# Allegro board 1156197-TDI_VU3P_QSFP28_CXP_V001_1023A-166-20241121_1644_PCB.brd (continued)
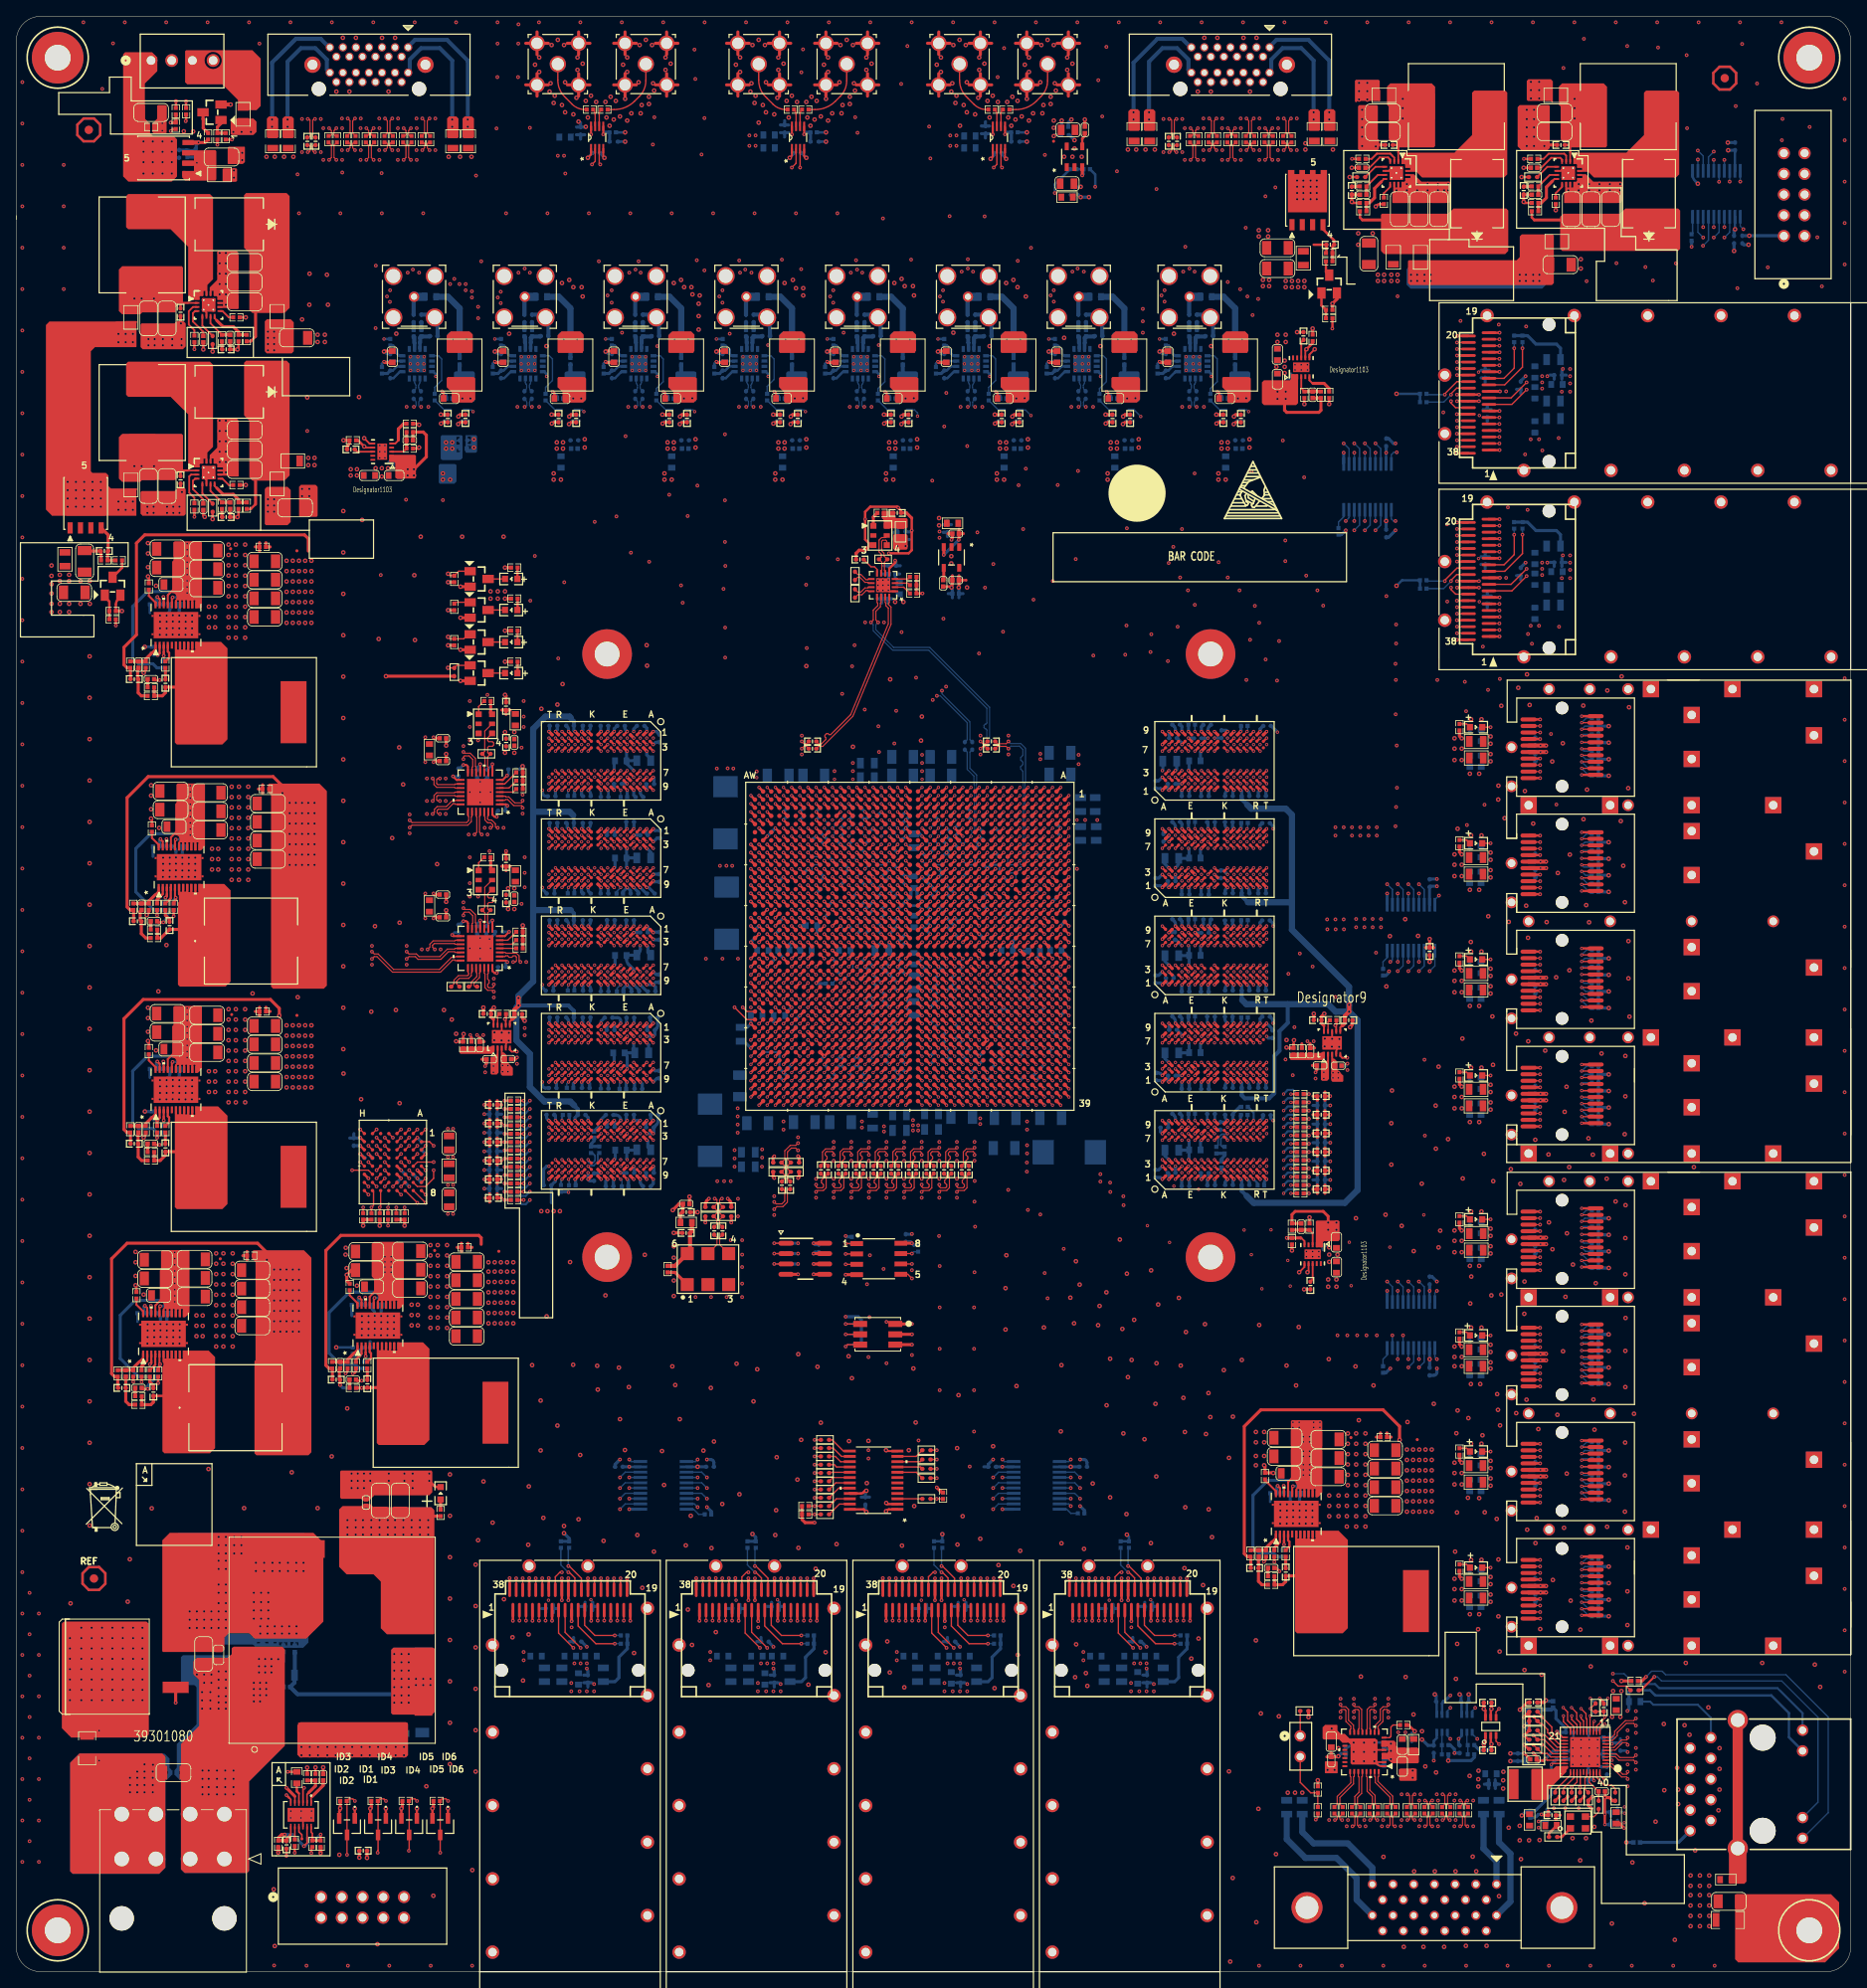
[diagram p0: board, top side]
## Routing (per net, layer and track width the routed paths; a pad name or vN(x,y) marks a point on that pad's centre or on a via; arc(x,y) is an arc through that point) (continued)
N29553526: length 17.7
  TOP w0.14: C79.1 107.52,99.1 107.52,100.62 107.89,100.99 108.75,100.99 v1(108.89,101.14) ; U1.AA33 v3(108.1,112.36)
  ART07 w0.102: v3(108.1,112.36) 108.1,112.22 107.95,112.06 107.72,112.06 107.5,111.84 107.5,105.96 107.45,105.92
  ART07 w0.114: v1(108.89,101.14) 109.11,100.92 109.56,100.92 109.67,101.03 109.67,101.91 108.44,103.14 108.44,104.34 107.45,105.33 107.45,105.92
N29553547: length 18.2
  TOP w0.14: C82.1 107.85,99.25 107.85,99.54 108.08,99.77 108.08,100.03 107.85,100.26 107.85,100.48 108.03,100.66 108.73,100.66 108.89,100.5 v1(108.89,100.25) ; U1.AA34 v3(108.1,111.36)
  ART07 w0.102: 107.76,105.92 107.7,105.98 107.7,111.76 107.8,111.86 107.94,111.86 108.1,111.71 v3(108.1,111.36)
  ART07 w0.114: v1(108.89,100.25) 108.89,100.5 109.01,100.61 109.69,100.61 109.98,100.9 109.98,102.03 108.75,103.27 108.75,104.47 107.76,105.46 107.76,105.92
N29556387: length 1.4
  TOP w0.14: U1.AJ7 v3(100.1,139.36)
  BOTTOM w0.14: v3(100.1,139.36) 100.57,139.82 C98.1
N29556408: length 1.4
  TOP w0.14: U1.AJ6 v3(100.1,140.36)
  BOTTOM w0.14: v3(100.1,140.36) 100.57,140.82 C99.1
N29557449: length 1.4
  TOP w0.14: U1.AE7 v3(104.1,139.36)
  BOTTOM w0.14: C96.1 103.6,139.86 v3(104.1,139.36)
N29557470: length 1.4
  TOP w0.14: U1.AE6 v3(104.1,140.36)
  BOTTOM w0.14: C97.1 104.08,140.36 v3(104.1,140.36)
N29557994: length 1.4
  TOP w0.14: U1.AA7 v3(108.1,139.36)
  BOTTOM w0.14: v3(108.1,139.36) 108.08,139.36 C100.1
N29558010: length 1.4
  TOP w0.14: U1.AA6 v3(108.1,140.36)
  BOTTOM w0.14: C101.1 108.08,140.36 v3(108.1,140.36)
N29558479: length 1.4
  TOP w0.14: U1.U7 v3(113.1,139.36)
  BOTTOM w0.14: v3(113.1,139.36) 113.57,139.82 C102.1
N29558500: length 1.4
  TOP w0.14: U1.U6 v3(113.1,140.36)
  BOTTOM w0.14: C104.1 113.57,140.82 v3(113.1,140.36)
N29559124: length 12.2
  TOP w0.14: U1.N7 v3(117.1,139.36)
  BOTTOM w0.102: v3(117.1,139.36) 117.1,139.65 117.2,139.76 117.46,139.76 117.68,139.98 117.68,142.77 117.72,143.3 117.72,145.68 117.79,145.75 117.79,145.77
  BOTTOM w0.14: 117.79,145.77 117.79,146.88 116.96,147.71 116.96,149.7 C103.1
N29559145: length 11.9
  TOP w0.14: U1.N6 v3(117.1,140.36)
  BOTTOM w0.102: v3(117.1,140.36) 117.1,140.06 117.2,139.96 117.37,139.96 117.48,140.06 117.48,142.78 117.52,143.3 117.52,145.68 117.46,145.75 117.46,145.77
  BOTTOM w0.14: 117.46,145.77 117.46,146.74 116.63,147.57 116.63,149.7 C105.1
N29560689: length 2.5
  BOTTOM w0.17: U21.10 162.81,178.56 162.18,177.93 R244.2
N29563240: length 2.5
  BOTTOM w0.17: R253.2 83.69,56.13 83.06,56.76 U22.10
N29565206: length 2.4
  BOTTOM w0.17: R262.2 129.34,56.26 128.83,56.76 U23.10
N29589979: length 2.2
  TOP w0.17: U2.7 v1(109.86,88.14)
  BOTTOM w0.17: v1(109.86,88.14) 110.09,88.37 R23.2
N29592808: length 3.1
  TOP w0.17: J3.1 R34.2
N29620196: length 3.2
  TOP w0.381: 60.07,154.32 C868.1 ; C868.1 60.58,154.85 ; C868.1 59.56,154.85 ; R481.1 58.19,154.51 X3.6
N29620326: length 1.9
  TOP w0.17: X3.1 56.71,155.28 R481.2
N29629196: length 1.4
  TOP w0.305: R51.2 61.47,172.32 DS3.1
N29629198: length 1.4
  TOP w0.254: R50.2 61.49,163.22 DS2.1
N29629216: length 2.1
  TOP w0.17: Q3.3 DS3.2
N29629218: length 2.1
  TOP w0.17: Q2.3 DS2.2
N29650801: length 7.1
  TOP w0.508: R49.1 80.8,86.63 U5.6 82.64,88.48 C40.1 82.87,90.91 L4.1
N29650891: length 3
  TOP w0.381: U5.1 80.8,85.83 R49.2
N29656991: length 17.7
  TOP w0.14: U1.AG33 v3(102.1,112.36) ; C86.1 101.37,99.25 101.37,99.54 101.6,99.77 101.6,100.03 101.37,100.26 101.37,100.48 101.55,100.66 102.25,100.66 102.42,100.5 v1(102.42,100.25)
  ART07 w0.102: v3(102.1,112.36) 102.1,112.22 102.25,112.06 102.49,112.06 102.71,111.84 102.71,105.96 102.75,105.92
  ART07 w0.114: v1(102.42,100.25) 102.62,100.46 103.15,100.46 103.5,100.81 103.5,102.26 102.75,103.02 102.75,105.92
N29657007: length 17.6
  TOP w0.14: U1.AG34 v3(102.1,111.36) ; v1(102.42,101.14) 102.27,100.99 101.42,100.99 101.04,100.62 101.04,99.1 C89.1
  ART07 w0.102: 102.44,105.92 102.5,105.98 102.5,111.76 102.4,111.86 102.2,111.86 102.1,111.76 v3(102.1,111.36)
  ART07 w0.114: v1(102.42,101.14) 102.42,100.9 102.56,100.76 103.02,100.76 103.2,100.94 103.2,101.26 103.08,101.38 103.01,101.38 102.9,101.49 102.9,101.72 103.01,101.84 103.08,101.84 103.2,101.95 103.2,102.13 102.44,102.89 102.44,105.92
N29657061: length 17.8
  TOP w0.14: v1(106.73,100.25) 106.73,100.5 106.57,100.66 105.87,100.66 105.69,100.48 105.69,100.26 105.92,100.03 105.92,99.77 105.69,99.54 105.69,99.25 C84.1 ; U1.AC33 v3(106.1,112.36)
  ART07 w0.102: 106.75,105.92 106.71,105.96 106.71,111.84 106.49,112.06 106.25,112.06 106.1,112.22 v3(106.1,112.36)
  ART07 w0.114: 106.75,105.92 106.75,104.58 107.57,103.76 107.57,102.8 107.82,102.54 107.82,100.81 107.47,100.46 106.94,100.46 v1(106.73,100.25)
N29657077: length 17.7
  TOP w0.14: v1(106.73,101.14) 106.59,100.99 105.73,100.99 105.36,100.62 105.36,99.1 C87.1 ; U1.AC34 v3(106.1,111.36)
  ART07 w0.102: v3(106.1,111.36) 106.1,111.76 106.2,111.86 106.4,111.86 106.5,111.76 106.5,105.98 106.44,105.92
  ART07 w0.114: v1(106.73,101.14) 106.73,100.9 106.87,100.76 107.34,100.76 107.52,100.94 107.52,101.52 107.4,101.64 107.35,101.64 107.24,101.75 107.24,101.98 107.35,102.1 107.4,102.1 107.52,102.21 107.52,102.42 107.26,102.67 107.26,103.63 106.44,104.45 106.44,105.92
N29657151: length 17.4
  TOP w0.14: C85.1 110.01,99.25 110.01,99.54 110.24,99.77 110.24,100.03 110.01,100.26 110.01,100.48 110.19,100.66 110.89,100.66 111.05,100.5 v1(111.05,100.25) ; U1.W33 v3(111.1,112.36)
  ART07 w0.102: v3(111.1,112.36) 111.1,112.16 111.2,112.06 111.48,112.06 111.7,111.84 111.7,105.96 111.75,105.91 111.75,105.88
  ART07 w0.114: v1(111.05,100.25) 111.26,100.45 111.69,100.45 112.09,100.85 112.09,105.33 111.75,105.67 111.75,105.88
N29657167: length 17.1
  TOP w0.14: v1(111.05,101.14) 110.9,100.99 110.05,100.99 109.68,100.62 109.68,99.1 C88.1 ; U1.W34 v3(111.1,111.36)
  ART07 w0.102: v3(111.1,111.36) 111.1,111.76 111.2,111.86 111.4,111.86 111.5,111.76 111.5,105.96 111.45,105.91 111.45,105.88
  ART07 w0.114: v1(111.05,101.14) 111.05,100.88 111.17,100.76 111.56,100.76 111.78,100.98 111.78,105.21 111.45,105.54 111.45,105.88
N29657235: length 18
  TOP w0.14: U1.R33 v3(115.1,112.36) ; C93.1 114,99.1 114,100.62 114.37,100.99 115.22,100.99 v1(115.37,101.14)
  ART07 w0.102: 114.45,105.92 114.5,105.96 114.5,111.84 114.72,112.06 114.95,112.06 115.1,112.22 v3(115.1,112.36)
  ART07 w0.114: 114.45,105.92 114.45,104.29 116.15,102.59 116.15,102.33 115.93,102.1 115.93,101.87 116.15,101.64 116.15,100.94 115.98,100.76 115.51,100.76 115.37,100.9 v1(115.37,101.14)
N29657251: length 18
  TOP w0.14: C95.1 114.32,99.25 114.32,99.54 114.55,99.77 114.55,100.03 114.32,100.26 114.32,100.48 114.51,100.66 115.2,100.66 115.37,100.5 v1(115.37,100.25) ; U1.R34 v3(115.1,111.36)
  ART07 w0.102: v3(115.1,111.36) 115.1,111.76 115,111.86 114.8,111.86 114.7,111.76 114.7,105.98 114.76,105.92
  ART07 w0.114: v1(115.37,100.25) 115.58,100.46 116.1,100.46 116.46,100.81 116.46,102.72 114.76,104.42 114.76,105.92
N29662268: length 6.3
  TOP w0.254: v1(58.93,141.76) 58.65,141.76 58.4,142.01 U62.28 ; U62.8 v1(58.4,148.21) ; v1(53.57,146.71) 54,146.28 U62.15
  TOP w0.305: v1(51.18,148.46) 51.31,148.59 C872.1
  BOTTOM w0.305: C875.1 54.22,146.71 v1(53.57,146.71) ; C873.1 58.93,142.33 v1(58.93,141.76) ; C874.1 58.4,148.15 v1(58.4,148.21)
  vias: v1(50.16,148.46)
N29662450: length 2.2
  TOP w0.17: R482.2 60.94,144.78 U62.4
N29662524: length 1.9
  TOP w0.254: U62.11 v1(56.9,148.21)
  BOTTOM w0.254: v1(56.9,148.21) 56.52,147.83 C876.2
N29662575: length 2.4
  TOP w0.17: R484.2 60.43,145.29 59.3,145.29 U62.5
N29662581: length 2.6
  TOP w0.17: U62.6 59.91,145.78 R485.2
N29662607: length 2
  TOP w0.254: v1(60.2,146.81) 59.67,146.28 U62.7
  BOTTOM w0.305: C877.2 60.36,146.98 v1(60.2,146.81)
N29665073: length 6.7
  TOP w0.254: v1(53.47,127.25) 53.62,127.1 U61.15 ; U61.8 v1(58.4,129.03) ; v1(58.93,122.58) 58.65,122.58 58.4,122.83 U61.28
  TOP w0.305: C862.1 51.31,129.41 v1(51.18,129.29)
  BOTTOM w0.305: C864.1 53.76,127.55 v1(53.47,127.25) ; v1(58.93,122.58) 59.09,122.74 C865.1 ; v1(58.4,129.03) 58.29,129.03 57.66,128.4 C863.1
  vias: v1(50.16,129.29)
N29665229: length 2
  TOP w0.17: U61.4 R475.2
N29665247: length 1.9
  TOP w0.254: U61.11 v1(56.9,129.03)
  BOTTOM w0.254: C866.2 56.52,128.65 v1(56.9,129.03)
N29665275: length 2.2
  TOP w0.17: U61.5 59.3,126.11 60.81,126.11 R479.2
N29665279: length 2.5
  TOP w0.17: U61.6 60.29,126.6 R480.2
N29665305: length 2.2
  TOP w0.254: U61.7 59.92,127.1 v1(60.45,127.64)
  BOTTOM w0.305: C867.2 v1(60.45,127.64)
N29692691: length 3.3
  TOP w0.17: R501.1 110.4,61.3 108.08,61.3
N29692711: length 3.2
  TOP w0.17: R505.1 110.86,62.6 108.08,62.6
N29692769: length 3.1
  TOP w0.17: 108.08,61.95 110.9,61.95 R504.1
N29692789: length 3.4
  TOP w0.17: R506.1 110.37,63.25 108.08,63.25
N29692807: length 3.1
  TOP w0.17: U63.13 101.45,63.9 100.08,65.28 R508.1
N29692827: length 2.8
  TOP w0.17: R510.1 100.46,63.25 101.1,62.6 U63.15
N29692847: length 2.6
  TOP w0.17: U63.17 99.78,61.3 R512.1
N29692867: length 2.9
  TOP w0.17: U63.19 100.51,60 R514.1
N29692885: length 3
  TOP w0.17: R509.1 100.2,64.26 101.21,63.25 U63.14
N29692905: length 2.7
  TOP w0.17: R511.1 100.33,62.23 100.61,61.95 U63.16
N29692925: length 2.7
  TOP w0.17: U63.18 100.15,60.65 R513.1
N29692945: length 3
  TOP w0.17: U63.20 100.88,59.35 R515.1
N29695486: length 3.1
  TOP w0.17: U63.23 100.96,57.4 R502.2
N29695487: length 2.9
  TOP w0.17: R503.2 100.59,58.05 U63.22
N29695488: length 3.1
  TOP w0.17: 108.08,58.05 111.11,58.05 R507.2
N29704712: length 4.4
  TOP w0.279: U48.1 17.08,162.32 16.64,161.88
  TOP w0.381: 16.64,161.88 15.88,161.12 R396.2 C728.1 R397.2
N29704800: length 4.4
  TOP w0.381: C728.2 14.88,159.92 14.88,158.71 C730.1 14.95,156.97 15.33,156.59 R402.2
N29704822: length 2.2
  TOP w0.254: R398.2 16.26,168.87 17.08,168.04 U48.22
N29704840: length 2.1
  TOP w0.254: v1(17.3,168.73) 17.58,168.45 U48.21
  BOTTOM w0.381: R399.2 17.19,168.63 v1(17.3,168.73)
N29704889: length 1.9
  TOP w0.254: v1(18.04,168.73) 18.08,168.69 U48.20
  BOTTOM w0.381: R400.1 18.04,168.73 v1(18.04,168.73)
N29704891: length 1.4
  TOP w0.381: C729.1 R401.2
N29704893: length 4.7
  TOP w0.381: 19.75,157.67 C729.2 18.29,156.97 17.91,156.59 R402.1 R403.2
N29753652: length 3.3
  TOP w0.17: P2.A2 192.01,104.95 v3(192,104.95)
  BOTTOM w0.17: R207.2 192.92,104.03 v3(192,104.95)
N29753726: length 3.1
  TOP w0.17: P2.A4 v3(192,106.55)
  BOTTOM w0.17: v3(192,106.55) 192.49,106.06 R213.2
N29753758: length 3.1
  TOP w0.17: P2.A5 v3(192,107.35)
  BOTTOM w0.17: v3(192,107.35) 192.27,107.08 R209.2
N29753811: length 3
  TOP w0.17: P2.A6 v3(192,108.15)
  BOTTOM w0.17: R210.2 192.06,108.1 v3(192,108.15)
N29753855: length 3
  TOP w0.17: P2.A7 v3(192,108.95)
  BOTTOM w0.17: R211.2 192.17,109.11 v3(192,108.95)
N29753907: length 3.2
  TOP w0.17: P2.A9 v3(192,110.55)
  BOTTOM w0.17: R212.2 192.6,111.14 v3(192,110.55)
N29754190: length 3.3
  TOP w0.17: P2.B2 v3(192,119.2)
  BOTTOM w0.17: R215.2 192.92,118.28 v3(192,119.2)
N29754246: length 3.1
  TOP w0.17: P2.B4 v3(192,120.8)
  BOTTOM w0.17: R217.2 192.49,120.31 v3(192,120.8)
N29754266: length 3.1
  TOP w0.17: P2.B5 v3(192,121.6)
  BOTTOM w0.17: R218.2 192.27,121.33 v3(192,121.6)
N29754310: length 3
  TOP w0.17: P2.B6 v3(192,122.4)
  BOTTOM w0.17: R219.2 192.06,122.34 v3(192,122.4)
N29754349: length 3
  TOP w0.17: P2.B7 v3(192,123.2)
  BOTTOM w0.17: R220.2 192.17,123.36 v3(192,123.2)
N29754365: length 3.2
  TOP w0.17: P2.B9 v3(192,124.8)
  BOTTOM w0.17: R221.2 192.6,125.39 v3(192,124.8)
N29754547: length 3.3
  TOP w0.17: P2.C2 v3(192,133.45)
  BOTTOM w0.17: R224.2 192.92,132.53 v3(192,133.45)
N29754605: length 3.1
  TOP w0.17: P2.C4 v3(192,135.05)
  BOTTOM w0.17: v3(192,135.05) 192.49,134.56 R226.2
N29754621: length 3
  TOP w0.17: P2.C5 v3(192,135.85)
  BOTTOM w0.17: R227.2 192.27,135.58 v3(192,135.85)
N29754647: length 3
  TOP w0.17: P2.C6 v3(192,136.65)
  BOTTOM w0.17: R228.2 192.06,136.6 v3(192,136.65)
N29754689: length 3
  TOP w0.17: P2.C7 v3(192,137.45)
  BOTTOM w0.17: R229.2 192.17,137.61 v3(192,137.45)
N29754705: length 3.2
  TOP w0.17: P2.C9 v3(192,139.05)
  BOTTOM w0.17: R230.2 192.6,139.64 v3(192,139.05)
N29754965: length 3.3
  TOP w0.17: P2.D2 v3(192,147.7)
  BOTTOM w0.17: R232.2 192.92,146.78 v3(192,147.7)
N29755085: length 3.1
  TOP w0.17: P2.D4 v3(192,149.3)
  BOTTOM w0.17: v3(192,149.3) 192.49,148.81 R234.2
N29755119: length 3.1
  TOP w0.17: P2.D5 v3(192,150.1)
  BOTTOM w0.17: v3(192,150.1) 192.27,149.83 R235.2
N29755163: length 3
  TOP w0.17: P2.D6 v3(192,150.9)
  BOTTOM w0.17: v3(192,150.9) 192.06,150.85 R236.2
N29755209: length 3
  TOP w0.17: P2.D7 v3(192,151.7)
  BOTTOM w0.17: v3(192,151.7) 192.17,151.86 R237.2
N29755239: length 3.2
  TOP w0.17: P2.D9 v3(192,153.3)
  BOTTOM w0.17: v3(192,153.3) 192.6,153.89 R238.2
N29755391: length 1.4
  TOP w0.17: DS8.1 177.89,110.4 R240.1
N29755443: length 1.4
  TOP w0.17: R241.1 177.89,124.65 DS9.1
N29755487: length 1.4
  TOP w0.17: R242.1 177.89,138.9 DS10.1
N29755515: length 1.4
  TOP w0.17: R243.1 177.89,153.15 DS11.1
N29778785: length 0.9
  BOTTOM w0.508: R297.2 103.09,202.44 C596.2
N29778786: length 2.2
  BOTTOM w0.508: J22.1 103.09,205.53 C596.1
N29778792: length 0.9
  BOTTOM w0.508: R298.2 104.03,202.44 C598.2
N29778795: length 2.7
  BOTTOM w0.432: U34.3 103.86,199.92 103.88,199.94
  BOTTOM w0.508: C601.2 105.04,200.7 R298.1 103.88,200.55 103.88,199.94
N29778798: length 2.3
  BOTTOM w0.305: R294.1 100.58,199.59 101.07,199.09 101.07,198.58 101.32,198.33 U34.16
N29778800: length 2.9
  BOTTOM w0.305: C591.1 100.53,196.52 101.04,197.03 U34.14
  BOTTOM w0.381: L53.1 99.86,196.16 C591.1
N29778819: length 6
  BOTTOM w0.17: U34.5 106.15,198.33 106.53,197.95 106.53,195.16 105.68,194.31 R300.1
N29778828: length 7.7
  BOTTOM w0.508: R292.1 108.73,199.13
  BOTTOM w0.762: L57.2 107.31,205.58 108.73,204.16 108.73,201.01
  vias: v2(107.93,200.36) v2(109.58,200.36)
N29778834: length 1.7
  BOTTOM w0.14: U34.11 103.21,195.05 arc(103.23,194.96) 103.28,194.88 103.3,194.86 arc(103.35,194.78) 103.37,194.69 103.37,194.44 arc(103.34,194.27) 103.24,194.13 C597.1
N29778835: length 1.7
  BOTTOM w0.14: U34.10 103.86,195.05 arc(103.84,194.96) 103.79,194.88 103.77,194.86 arc(103.71,194.78) 103.7,194.69 103.7,194.46 arc(103.73,194.29) 103.83,194.14 C599.1
N29778846: length 7.7
  BOTTOM w0.508: R291.1 122.32,199.13
  BOTTOM w0.762: 122.32,201.01 122.32,204.16 120.9,205.58 L56.2
  vias: v2(121.52,200.36) v2(123.17,200.36)
N29778850: length 1.7
  BOTTOM w0.14: U35.11 116.8,195.05 arc(116.81,194.96) 116.87,194.88 116.89,194.86 arc(116.94,194.78) 116.96,194.69 116.96,194.44 arc(116.92,194.27) 116.83,194.13 C593.1
N29778851: length 1.7
  BOTTOM w0.14: U35.10 117.45,195.05 arc(117.43,194.96) 117.38,194.88 117.36,194.86 arc(117.3,194.78) 117.29,194.69 117.29,194.46 arc(117.32,194.29) 117.42,194.14 C595.1
N29778859: length 0.9
  BOTTOM w0.508: C592.2 116.68,202.44 R295.2
N29778860: length 2.2
  BOTTOM w0.508: J21.1 116.68,205.53 C592.1
N29778867: length 0.9
  BOTTOM w0.508: C594.2 117.62,202.44 R296.2
N29778870: length 2.7
  BOTTOM w0.432: 117.47,199.94 117.45,199.92 U35.3
  BOTTOM w0.508: C600.2 118.63,200.7 R296.1 117.47,200.55 117.47,199.94
N29778873: length 2.3
  BOTTOM w0.305: U35.16 114.91,198.33 114.66,198.58 114.66,199.09 114.16,199.59 R293.1
N29778875: length 2.9
  BOTTOM w0.305: U35.14 114.63,197.03 114.12,196.52 C590.1
  BOTTOM w0.381: L52.1 113.45,196.16 C590.1
N29778894: length 6
  BOTTOM w0.17: U35.5 119.74,198.33 120.12,197.95 120.12,195.3 119.27,194.46 R299.1
N29778905: length 7.7
  BOTTOM w0.508: R302.1 135.91,199.13
  BOTTOM w0.762: 135.91,201.01 135.91,204.16 134.49,205.58 L63.2
  vias: v2(135.11,200.36) v2(136.76,200.36)
N29778909: length 1.7
  BOTTOM w0.14: U38.11 130.39,195.05 arc(130.4,194.96) 130.46,194.88 130.48,194.86 arc(130.53,194.78) 130.55,194.69 130.55,194.44 arc(130.51,194.27) 130.42,194.13 C621.1
N29778910: length 1.7
  BOTTOM w0.14: U38.10 131.04,195.05 arc(131.02,194.96) 130.96,194.88 130.95,194.86 arc(130.89,194.78) 130.87,194.69 130.87,194.46 arc(130.91,194.29) 131.01,194.14 C623.1
N29778918: length 0.9
  BOTTOM w0.508: C620.2 130.27,202.44 R307.2
N29778919: length 2.2
  BOTTOM w0.508: C620.1 130.27,205.53 J24.1
N29778926: length 0.9
  BOTTOM w0.508: R308.2 131.21,202.44 C622.2
N29778929: length 2.7
  BOTTOM w0.432: 131.06,199.94 131.04,199.92 U38.3
  BOTTOM w0.508: 131.06,199.94 131.06,200.55 R308.1 132.22,200.7 C625.2
N29778932: length 2.3
  BOTTOM w0.305: U38.16 128.5,198.33 128.25,198.58 128.25,199.09 127.75,199.59 R304.1
N29778936: length 2.9
  BOTTOM w0.305: U38.14 128.22,197.03 127.71,196.52 C615.1
  BOTTOM w0.381: L59.1 127.04,196.16 C615.1
N29778940: length 7.7
  BOTTOM w0.508: R301.1 149.5,199.13
  BOTTOM w0.762: L62.2 148.08,205.58 149.5,204.16 149.5,201.01
  vias: v2(148.7,200.36) v2(150.35,200.36)
N29778944: length 1.7
  BOTTOM w0.14: C617.1 144.01,194.13 arc(144.1,194.27) 144.14,194.44 144.14,194.69 arc(144.12,194.78) 144.06,194.86 144.05,194.88 arc(143.99,194.96) 143.97,195.05 U39.11
N29778945: length 1.7
  BOTTOM w0.14: C619.1 144.6,194.14 arc(144.5,194.29) 144.46,194.46 144.46,194.69 arc(144.48,194.78) 144.53,194.86 144.55,194.88 arc(144.61,194.96) 144.62,195.05 U39.10
N29778953: length 0.9
  BOTTOM w0.508: C616.2 143.86,202.44 R305.2
N29778954: length 2.2
  BOTTOM w0.508: C616.1 143.86,205.53 J23.1
N29778958: length 0.9
  BOTTOM w0.508: R306.2 144.8,202.44 C618.2
N29778961: length 2.7
  BOTTOM w0.432: 144.65,199.94 144.62,199.92 U39.3
  BOTTOM w0.508: C624.2 145.81,200.7 R306.1 144.65,200.55 144.65,199.94
N29778965: length 2.3
  BOTTOM w0.305: U39.16 142.09,198.33 141.84,198.58 141.84,199.09 141.34,199.59 R303.1
N29778967: length 2.9
  BOTTOM w0.305: C614.1 141.3,196.52 141.81,197.03 U39.14
  BOTTOM w0.381: L58.1 140.63,196.16 C614.1
N29778986: length 6
  BOTTOM w0.17: R309.1 146.45,194.31 147.3,195.16 147.3,197.95 146.91,198.33 U39.5
N29779005: length 6
  BOTTOM w0.17: U38.5 133.32,198.33 133.71,197.95 133.71,195.16 132.86,194.31 R310.1
N29779008: length 1.6
  BOTTOM w0.432: U34.2 103.21,199.9 103.17,199.94
  BOTTOM w0.508: R297.1 103.17,200.62 103.17,199.94
N29779011: length 1.6
  BOTTOM w0.432: 130.35,199.94 130.39,199.9 U38.2
  BOTTOM w0.508: R307.1 130.35,200.62 130.35,199.94
N29779015: length 1.6
  BOTTOM w0.432: 143.94,199.94 143.97,199.9 U39.2
  BOTTOM w0.508: R305.1 143.94,200.62 143.94,199.94
N29779020: length 1.6
  BOTTOM w0.432: 116.76,199.94 116.8,199.9 U35.2
  BOTTOM w0.508: 116.76,199.94 116.76,200.62 R295.1
N29783182: length 3.9
  TOP w0.14: R477.1 53.68,121.25 53.68,121.71 54.22,122.25 55.34,122.25 55.48,122.39 55.48,122.59 55.4,122.67 U61.22
N29783195: length 3.9
  TOP w0.14: U61.23 55.9,122.68 55.81,122.6 55.81,122.25 55.48,121.92 54.36,121.92 54.01,121.58 54.01,121.25 R477.2
N29783199: length 2.8
  TOP w0.14: U61.24 56.4,122.67 56.48,122.59 56.48,122.14 55.81,121.46 55.81,121.04 55.67,120.9 55.5,120.9
N29783212: length 2.9
  TOP w0.14: R478.2 56.27,120.9 56.13,121.04 56.13,121.33 56.81,122 56.81,122.6 56.9,122.68 U61.25
N29783843: length 18
  TOP w0.14: v1(117.53,101.14) 117.38,100.99 116.53,100.99 116.16,100.62 116.16,99.1 C92.1 ; U1.N33 v3(117.1,112.36)
  ART07 w0.102: v3(117.1,112.36) 117.1,112.22 116.95,112.06 116.72,112.06 116.5,111.84 116.5,105.96 116.45,105.92
  ART07 w0.114: 116.45,105.92 116.45,104.57 118.31,102.72 118.31,102.37 118.08,102.14 118.08,101.91 118.31,101.68 118.31,100.94 118.13,100.76 117.67,100.76 117.53,100.9 v1(117.53,101.14)
N29783864: length 18
  TOP w0.14: U1.N34 v3(117.1,111.36) ; C94.1 116.48,99.25 116.48,99.54 116.71,99.77 116.71,100.03 116.48,100.26 116.48,100.48 116.66,100.66 117.36,100.66 117.53,100.5 v1(117.53,100.25)
  ART07 w0.102: 116.76,105.92 116.7,105.98 116.7,111.76 116.8,111.86 117,111.86 117.1,111.76 v3(117.1,111.36)
  ART07 w0.114: 116.76,105.92 116.76,104.7 118.62,102.84 118.62,100.81 118.26,100.46 117.74,100.46 v1(117.53,100.25)
N29785843: length 3.7
  TOP w0.229: 159.06,194.94 158.99,194.94 158.61,195.33 U51.5
  TOP w0.381: R418.2 161.04,194.31 160.4,194.94 159.06,194.94
N29785944: length 4
  TOP w0.229: R421.1 157.61,194.33 U51.3
  TOP w0.381: R421.1 C757.1 R419.2
N29786027: length 2.3
  TOP w0.229: U51.8 157.61,200.01 C760.1
N29788043: length 4.5
  TOP w0.229: 168.77,222.89 169.02,222.65 U58.3 ; R454.1 166.24,222.5
  TOP w0.254: 168.77,222.89 168.53,223.14 166.88,223.14 166.24,222.5
N29788083: length 1.9
  TOP w0.229: R456.2 167.74,218.29 168.52,219.06 U58.9
N29788084: length 3.9
  TOP w0.229: U58.4 168.52,222.43 168.26,222.68 167.23,222.68 165.96,221.41 C837.2
N29788087: length 2.9
  TOP w0.229: U58.5 166.71,221.53 R457.1
N29788091: length 3.9
  TOP w0.229: R459.2 167,220.53 U58.7
  TOP w0.381: C838.1 R459.2
N29788094: length 1
  TOP w0.381: C839.1 163.84,219.13 R459.1
N29788101: length 5.2
  TOP w0.229: 167.42,219.7 167.75,220.03 U58.8
  TOP w0.381: R453.1 R458.2 165.96,217.09 166.6,217.73 166.6,218.87 167.42,219.7
N29788138: length 5.3
  TOP w0.229: 188.42,219.79 188.66,220.03 U59.8
  TOP w0.381: R461.1 R465.2 187.05,217.09 187.68,217.73 187.68,219.05 188.42,219.79
N29788147: length 4.6
  TOP w0.229: U59.3 190.1,222.91 189.87,223.14 187.96,223.14 187.32,222.5 R460.1
N29788153: length 1.9
  TOP w0.229: U59.9 189.6,219.06 188.82,218.29 R463.2
N29788158: length 3.9
  TOP w0.229: U59.4 189.6,222.4 189.37,222.63 188.26,222.63 187.05,221.41 C848.2
N29788162: length 2.9
  TOP w0.229: R464.1 187.79,221.53 U59.5
N29788172: length 3.9
  TOP w0.229: U59.7 188.09,220.53 R466.2
  TOP w0.381: C849.1 R466.2
N29788177: length 1
  TOP w0.381: C850.1 184.92,219.13 R466.1
N29803483: length 15.7
  BOTTOM w0.495: v2(137.03,227.33) v2(137.03,228.22) 137.03,234.31 139.95,237.24 143,237.24 144.05,236.19 J27.13
N29803484: length 15
  BOTTOM w0.495: v2(138.94,227.33) v2(138.94,228.22) 138.94,234.44 140.59,236.09 142.37,236.09 143.76,234.7 143.76,233.44 J27.26
N29803489: length 16
  BOTTOM w0.495: J27.1 153.72,236.27 154.56,237.11 158.5,237.11 161.04,234.57 v2(161.04,228.22) v2(161.04,227.33)
N29803490: length 15.4
  BOTTOM w0.495: J27.14 153.92,233.28 153.92,234.7 155.32,236.09 157.61,236.09 159.13,234.57 v2(159.13,228.22) v2(159.13,227.33)
N29803505: length 29.7
  TOP w0.14: v1(146.32,227.46) 146.6,227.18 146.6,225.66 R525.2
  ART12 w0.114: v1(146.32,227.46) 146.61,227.17 146.61,226.04 145.87,225.3 141.68,225.3 139.88,227.1 139.88,232.15 139.99,232.26 140.2,232.26 140.31,232.38 140.31,232.61 140.2,232.72 139.99,232.72 139.88,232.84 139.88,234.7 141.05,235.86 142.44,235.86 144.4,233.91 145.42,233.91 145.72,234.21 146.35,234.21 146.53,234.04 146.53,233.32 146.29,233.08 J27.24
N29803506: length 24.6
  TOP w0.14: R528.2 144.78,225.32 144.64,225.46 144.64,225.98 v1(144.92,226.26)
  ART16 w0.114: J27.10 146.52,234.4 146.33,234.21 144.53,234.21 142.8,235.94 140.87,235.94 139.77,234.85 139.77,226.85 141.58,225.04 144.17,225.04 144.63,225.5 144.63,225.97 v1(144.92,226.26)
N29803507: length 21.4
  TOP w0.14: v1(142.3,227.39) 142.18,227.39 142.04,227.26 142.04,225.27 142.18,225.13 C880.1
  ART07 w0.114: J27.22 148.03,233.79 148.03,233.96 147.7,234.29 147.42,234.29 147.04,233.91 144.4,233.91 142.65,235.66 140.84,235.66 140.26,235.08 140.26,230.38 142.01,228.63 142.01,227.69 v1(142.3,227.39)
N29803509: length 29.7
  TOP w0.14: v1(147.21,227.46) 146.93,227.18 146.93,225.66 R524.2
  ART12 w0.114: J27.11 145.72,234.65 145.29,234.22 144.52,234.22 142.57,236.17 140.92,236.17 139.57,234.83 139.57,226.97 141.56,224.99 146,224.99 146.91,225.91 146.91,227.17 v1(147.21,227.46)
N29803510: length 28.1
  TOP w0.14: v1(148.6,226.26) 148.88,225.98 148.88,225.46 148.74,225.32 R518.2
  ART14 w0.114: v1(148.6,226.26) 148.89,225.97 148.89,225.41 148.78,225.3 141.35,225.3 139.97,226.68 139.97,234.91 140.97,235.91 142.37,235.91 144.37,233.91 144.75,233.91 144.92,233.74 J27.25
N29803511: length 21.5
  TOP w0.14: v1(141.41,227.39) 141.56,227.39 141.71,227.24 141.71,225.29 141.56,225.13 C879.1
  ART07 w0.114: J27.9 147.32,234.62 146.92,234.22 144.52,234.22 142.77,235.97 140.72,235.97 139.95,235.2 139.95,230.25 141.71,228.5 141.71,227.69 v1(141.41,227.39)
N29803512: length 28.6
  TOP w0.14: R521.2 149.35,225.32 149.21,225.46 149.21,225.98 v1(149.49,226.26)
  ART14 w0.114: J27.12 144.92,234.33 144.81,234.21 144.5,234.21 142.49,236.22 140.84,236.22 139.66,235.04 139.66,226.55 141.22,224.99 148.91,224.99 149.2,225.28 149.2,225.97 v1(149.49,226.26)
N29803513: length 24.7
  TOP w0.14: R529.2 144.17,225.32 144.31,225.46 144.31,225.98 v1(144.03,226.26)
  ART16 w0.114: v1(144.03,226.26) 144.32,225.97 144.32,225.63 144.04,225.35 141.71,225.35 140.08,226.98 140.08,232.43 140.2,232.55 140.32,232.55 140.44,232.66 140.44,232.89 140.32,233 140.2,233 140.08,233.12 140.08,234.72 141,235.64 142.67,235.64 144.4,233.91 146.28,233.91 146.52,233.66 J27.23
N29807250: length 16.9
  BOTTOM w0.495: v2(55.37,226.44) v2(55.37,227.33) 55.37,234.57 52.83,237.11 48.9,237.11 48.06,236.27 J28.1